# Altium PCB RockerBox_Rev01.PcbDoc (part 7 of 8) (continued)
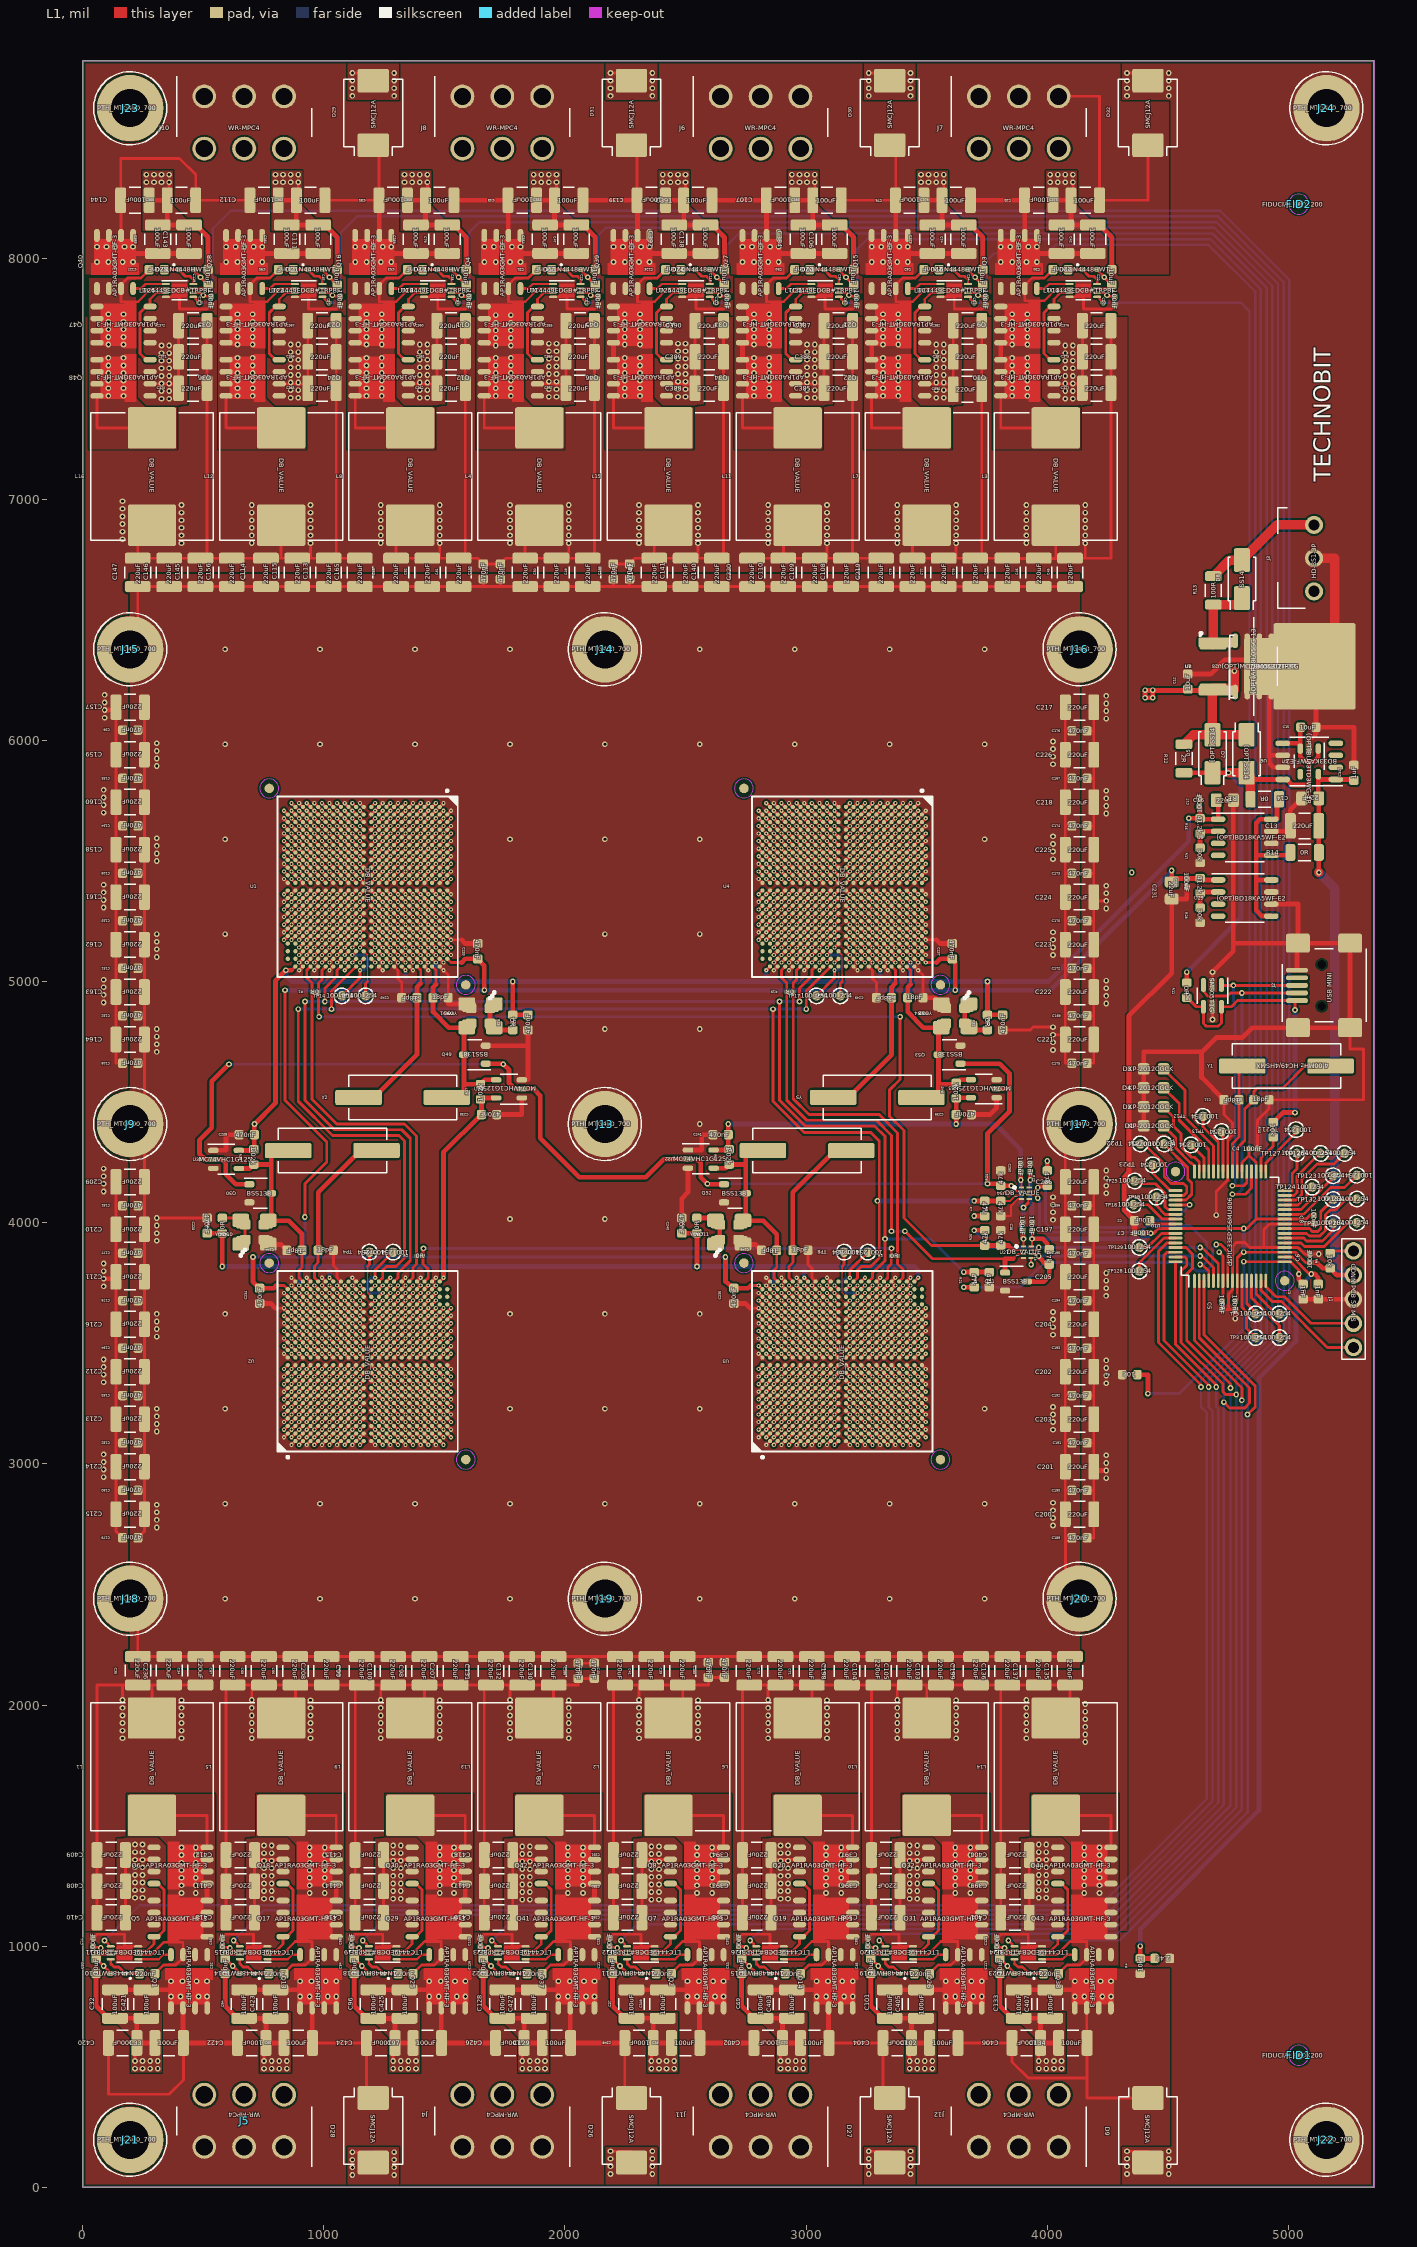
[diagram p0: L1 view]
## Nets (pads, with @x,y where several pads share a name; then routed paths per layer and width w, separated by ;. In a path a pad name is that pad's centre, name@x,y a point inside that pad or via, vN(x,y) a via of type N, cw(c..) or ccw(c..) an arc to the next point about the centre after c; other vN are vias at no path point) (continued)
  L1 w11.81: 333.66,964.57 Q1.4@365.96,964.57
HO2: Q13.4 U15.1 | length 143.4
  L1 w9.84: U15.1@765.75,945.87 850.39,945.87 869.09,964.57
  L1 w11.81: 869.09,964.57 Q13.4@901.39,964.57
HO3: Q25.4 U19.1 | length 143.4
  L1 w9.84: U19.1@1301.18,945.87 1385.83,945.87 1404.53,964.57
  L1 w11.81: 1404.53,964.57 Q25.4@1436.83,964.57
HO4: Q37.4 U23.1 | length 143.4
  L1 w9.84: U23.1@1836.61,945.87 1921.26,945.87 1939.96,964.57
  L1 w11.81: 1939.96,964.57 Q37.4@1972.26,964.57
HO5: Q2.4 U12.1 | length 143.4
  L1 w9.84: U12.1@2372.05,945.87 2456.69,945.87 2475.39,964.57
  L1 w11.81: 2475.39,964.57 Q2.4@2507.69,964.57
HO6: Q14.4 U16.1 | length 143.4
  L1 w9.84: U16.1@2907.48,945.87 2992.13,945.87 3010.83,964.57
  L1 w11.81: 3010.83,964.57 Q14.4@3043.13,964.57
HO7: Q26.4 U20.1 | length 143.4
  L1 w9.84: U20.1@3442.91,945.87 3527.56,945.87 3546.26,964.57
  L1 w11.81: 3546.26,964.57 Q26.4@3578.56,964.57
HO8: Q38.4 U24.1 | length 143.4
  L1 w9.84: U24.1@3978.35,945.87 4062.99,945.87 4081.69,964.57
  L1 w11.81: 4081.69,964.57 Q38.4@4113.99,964.57
HO9: Q3.4 U13.1 | length 143.4
  L1 w9.84: 3989.17,7874.02 4007.87,7892.72 U13.1@4092.52,7892.72
  L1 w11.81: Q3.4@3956.87,7874.02 3989.17,7874.02
HO10: Q15.4 U17.1 | length 143.4
  L1 w9.84: 3453.74,7874.02 3472.44,7892.72 U17.1@3557.09,7892.72
  L1 w11.81: Q15.4@3421.44,7874.02 3453.74,7874.02
HO11: Q27.4 U21.1 | length 143.4
  L1 w9.84: 2918.31,7874.02 2937.01,7892.72 U21.1@3021.65,7892.72
  L1 w11.81: Q27.4@2886.01,7874.02 2918.31,7874.02
HO12: Q39.4 U25.1 | length 143.4
  L1 w9.84: 2382.87,7874.02 2401.57,7892.72 U25.1@2486.22,7892.72
  L1 w11.81: Q39.4@2350.57,7874.02 2382.87,7874.02
HO13: Q4.4 U14.1 | length 143.4
  L1 w9.84: 1847.44,7874.02 1866.14,7892.72 U14.1@1950.79,7892.72
  L1 w11.81: Q4.4@1815.14,7874.02 1847.44,7874.02
HO14: Q16.4 U18.1 | length 143.4
  L1 w9.84: 1312.01,7874.02 1330.71,7892.72 U18.1@1415.35,7892.72
  L1 w11.81: Q16.4@1279.71,7874.02 1312.01,7874.02
HO15: Q28.4 U22.1 | length 143.4
  L1 w9.84: 776.57,7874.02 795.28,7892.72 U22.1@879.92,7892.72
  L1 w11.81: Q28.4@744.27,7874.02 776.57,7874.02
HO16: Q40.4 U26.1 | length 143.4
  L1 w9.84: 241.14,7874.02 259.84,7892.72 U26.1@344.49,7892.72
  L1 w11.81: Q40.4@208.84,7874.02 241.14,7874.02
LDO3.3V-5.0V: R14.1 R15.1 U9.5 U9.8 U29.5 U29.8 | length 834.7
  L1 w19.68: U29.5@4929.13,5271.47 4928.95,5271.65 4889.96,5271.65 4866.34,5295.28 4866.34,5421.46 ; U29.8@4929.13,5421.46 4866.34,5421.46 ; R15.1@4960.63,5755.91 4952.95,5755.91 4952.95,5673.43 U9.8@4929.13,5673.43 4882.09,5673.43 4866.34,5657.68 4866.34,5523.44 ; R14.1@5007.87,5535.43 5007.87,5523.44 U9.5@4929.13,5523.44 4866.34,5523.44 ; 4866.34,5421.46 4866.34,5523.44
LDO5.0V: C15.1 D5.1 D7.2 R11.1 R12.2 R15.2 U5.1 U5.3 U6.5 U6.8 | length 2027.9
  L1 w19.68: R12.2@4566.93,5866.14 D5.1@4685.04,5866.14 v2(4751.97,5866.14) ; R11.1@4578.74,4996.06 v2(4578.74,5039.37) ; D7.2@4842.52,5838.39 U6.8@4976.38,5838.39 4992.52,5838.39 5015.94,5814.96 5075,5814.96 5086.81,5826.77 5086.81,5913.39 ; U6.5@4976.38,5988.37 5049.21,5988.37 ; C15.1@5051.18,6055.12 5049.21,6053.15 5049.21,5988.37 ; U5.1@5124.02,5966.54 5124.02,5930.91 5106.5,5913.39 5086.81,5913.39 ; 5049.21,5988.37 U5.3@5049.21,5966.54 5049.21,5933.07 5068.9,5913.39 5086.81,5913.39
  L1 w39.37: v2(4751.97,5866.14) D7.2@4826.77,5866.14 4842.52,5850.39 4842.52,5838.39 R15.2@4842.52,5755.91
  L4 w19.68: v2(4578.74,5039.37) 4803.15,5263.78 4803.15,5814.96 v2(4751.97,5866.14)
LM12V: D8.1 R13.1 U7.1 U8.1 U28.8 | length 408.9
  L1 w11.81: U8.1@4688.98,6413.39 U8.1@4700.79,6413.39 ; U7.1@4700.79,6407.09 U8.1@4700.79,6413.39 ; U28.8@4779.33,6413.39 U8.1@4700.79,6413.39
  L1 w39.37: U8.1@4687.01,6397.24 4688.98,6399.21 4688.98,6413.39 R13.1@4688.98,6562.99 4807.09,6562.99 D8.1@4807.09,6590.55
LO1: Q5.4 Q6.4 U11.3 | length 379.9
  L1 w9.84: U11.3@230.31,981.3 267.72,981.3 295.28,1008.86
  L1 w11.81: 295.28,1008.86 Q5.4@295.28,1039.19 311.02,1039.19 336.61,1064.78 336.61,1234.07 311.02,1259.66 Q6.4@295.28,1259.66
LO2: Q17.4 Q18.4 U15.3 | length 379.9
  L1 w9.84: U15.3@765.75,981.3 803.15,981.3 830.71,1008.86
  L1 w11.81: 830.71,1008.86 Q17.4@830.71,1039.19 846.46,1039.19 872.05,1064.78 872.05,1234.07 846.46,1259.66 Q18.4@830.71,1259.66
LO3: Q29.4 Q30.4 U19.3 | length 379.9
  L1 w9.84: U19.3@1301.18,981.3 1338.58,981.3 1366.14,1008.86
  L1 w11.81: 1366.14,1008.86 Q29.4@1366.14,1039.19 1381.89,1039.19 1407.48,1064.78 1407.48,1234.07 1381.89,1259.66 Q30.4@1366.14,1259.66
LO4: Q41.4 Q42.4 U23.3 | length 379.9
  L1 w9.84: U23.3@1836.61,981.3 1874.02,981.3 1901.57,1008.86
  L1 w11.81: 1901.57,1008.86 Q41.4@1901.57,1039.19 1917.32,1039.19 1942.91,1064.78 1942.91,1234.07 1917.32,1259.66 Q42.4@1901.57,1259.66
LO5: Q7.4 Q8.4 U12.3 | length 379.9
  L1 w9.84: U12.3@2372.05,981.3 2409.45,981.3 2437.01,1008.86
  L1 w11.81: 2437.01,1008.86 Q7.4@2437.01,1039.19 2452.76,1039.19 2478.35,1064.78 2478.35,1234.07 2452.76,1259.66 Q8.4@2437.01,1259.66
LO6: Q19.4 Q20.4 U16.3 | length 379.9
  L1 w9.84: U16.3@2907.48,981.3 2944.88,981.3 2972.44,1008.86
  L1 w11.81: 2972.44,1008.86 Q19.4@2972.44,1039.19 2988.19,1039.19 3013.78,1064.78 3013.78,1234.07 2988.19,1259.66 Q20.4@2972.44,1259.66
LO7: Q31.4 Q32.4 U20.3 | length 379.9
  L1 w9.84: U20.3@3442.91,981.3 3480.31,981.3 3507.87,1008.86
  L1 w11.81: 3507.87,1008.86 Q31.4@3507.87,1039.19 3523.62,1039.19 3549.21,1064.78 3549.21,1234.07 3523.62,1259.66 Q32.4@3507.87,1259.66
LO8: Q43.4 Q44.4 U24.3 | length 379.9
  L1 w9.84: U24.3@3978.35,981.3 4015.75,981.3 4043.31,1008.86
  L1 w11.81: 4043.31,1008.86 Q43.4@4043.31,1039.19 4059.06,1039.19 4084.65,1064.78 4084.65,1234.07 4059.06,1259.66 Q44.4@4043.31,1259.66
LO9: Q9.4 Q10.4 U13.3 | length 379.9
  L1 w9.84: 4027.56,7829.72 4055.12,7857.28 U13.3@4092.52,7857.28
  L1 w11.81: Q10.4@4027.56,7578.92 4011.81,7578.92 3986.22,7604.51 3986.22,7773.8 4011.81,7799.39 Q9.4@4027.56,7799.39 4027.56,7829.72
LO10: Q21.4 Q22.4 U17.3 | length 379.9
  L1 w9.84: 3492.13,7829.72 3519.68,7857.28 U17.3@3557.09,7857.28
  L1 w11.81: Q22.4@3492.13,7578.92 3476.38,7578.92 3450.79,7604.51 3450.79,7773.8 3476.38,7799.39 Q21.4@3492.13,7799.39 3492.13,7829.72
LO11: Q33.4 Q34.4 U21.3 | length 379.9
  L1 w9.84: 2956.69,7829.72 2984.25,7857.28 U21.3@3021.65,7857.28
  L1 w11.81: Q34.4@2956.69,7578.92 2940.94,7578.92 2915.35,7604.51 2915.35,7773.8 2940.94,7799.39 Q33.4@2956.69,7799.39 2956.69,7829.72
LO12: Q45.4 Q46.4 U25.3 | length 379.9
  L1 w9.84: 2421.26,7829.72 2448.82,7857.28 U25.3@2486.22,7857.28
  L1 w11.81: Q46.4@2421.26,7578.92 2405.51,7578.92 2379.92,7604.51 2379.92,7773.8 2405.51,7799.39 Q45.4@2421.26,7799.39 2421.26,7829.72
LO13: Q11.4 Q12.4 U14.3 | length 379.9
  L1 w9.84: 1885.83,7829.72 1913.39,7857.28 U14.3@1950.79,7857.28
  L1 w11.81: Q12.4@1885.83,7578.92 1870.08,7578.92 1844.49,7604.51 1844.49,7773.8 1870.08,7799.39 Q11.4@1885.83,7799.39 1885.83,7829.72
LO14: Q23.4 Q24.4 U18.3 | length 379.9
  L1 w9.84: 1350.39,7829.72 1377.95,7857.28 U18.3@1415.35,7857.28
  L1 w11.81: Q24.4@1350.39,7578.92 1334.65,7578.92 1309.06,7604.51 1309.06,7773.8 1334.65,7799.39 Q23.4@1350.39,7799.39 1350.39,7829.72
LO15: Q35.4 Q36.4 U22.3 | length 379.9
  L1 w9.84: 814.96,7829.72 842.52,7857.28 U22.3@879.92,7857.28
  L1 w11.81: Q36.4@814.96,7578.92 799.21,7578.92 773.62,7604.51 773.62,7773.8 799.21,7799.39 Q35.4@814.96,7799.39 814.96,7829.72
LO16: Q47.4 Q48.4 U26.3 | length 379.9
  L1 w9.84: 279.53,7829.72 307.09,7857.28 U26.3@344.49,7857.28
  L1 w11.81: Q48.4@279.53,7578.92 263.78,7578.92 238.19,7604.51 238.19,7773.8 263.78,7799.39 Q47.4@279.53,7799.39 279.53,7829.72
"MAIN OSC IN": C10.1 U10.39 Y1.1 | length 722.7
  L1 w11.81: U10.39@4787.7,4211.93 4787.7,4309.35 4818.9,4340.55 4818.9,4471.46 4856.3,4508.86 C10.1@4856.3,4509.84 4856.3,4543.31 4872.05,4559.06 4977.35,4559.06 5067.9,4649.61 Y1.1@5175.2,4649.61
"MAIN OSC OUT": C11.1 U10.40 Y1.2 | length 454.7
  L1 w11.81: U10.40@4768.01,4211.93 4768.01,4328.05 4795.28,4355.31 C11.1@4795.28,4509.84 4795.28,4635.83 Y1.2@4809.06,4649.61
MCLR: C5.1 J1.1 R9.1 U10.7 | length 907.7
  L1 w11.81: v2(4712.8,3877.95) 4728.64,3862.11 U10.7@4728.64,3759.18 4728.64,3675.2 C5.1@4724.41,3675.2 ; R9.1@5173.23,3874.02 5182.28,3883.07 J1.1@5269.68,3883.07
  L2 w11.81: v2(4712.8,3877.95) 4751.97,3877.95 4799.21,3925.2 5227.56,3925.2 J1.1@5269.68,3883.07
MCU5.0V: R10.2 U10.34 | length 163.5
  L1 w11.81: U10.34@4886.12,4211.93 4886.12,4268.01 4937.01,4318.9 R10.2@4937.01,4354.33
MEAS12: C1.1 R4.2 R5.2 U10.18 | length 3387.2
  L1 w11.81: U10.18@4984.55,3857.6 5016.42,3857.6 5086.61,3787.4 v2(5094.49,3787.4)
  L1 w19.68: v2(4385.83,1000) R4.2@4385.83,948.82 R5.2@4444.88,948.82 ; v2(5094.49,3787.4) 5108.27,3787.4 5124.02,3771.65 C1.1@5124.02,3746.06
  L4 w19.68: v2(4385.83,1000) 4385.83,1070.87 4877.95,1562.99 4877.95,3354.33 5031.5,3507.87 5031.5,3705.88 v2(5094.49,3787.4)
NetR16_2: R16.2 R17.1 U9.2 | length 137.7
  L1 w19.68: R17.1@4633.86,5555.12 R16.2@4633.86,5614.17 4643.11,5623.43 U9.2@4708.66,5623.43
NetR25_2: R25.2 YO1.1 YO1.4 YO5.1 YO5.4 YO9.1 YO9.4 | length 214.8
  L1 w19.68: YO5.4@1698.82,4818.9 YO9.4@1696.85,4818.9 ; YO5.1@1698.82,4897.64 1706.69,4905.51 YO1.1@1706.69,4907.48 1697.83,4898.62 YO9.1@1688.98,4889.76 YO9.4@1688.98,4826.77 YO9.4@1696.85,4818.9 ; R25.2@1783.46,4799.21 1706.69,4799.21 YO1.4@1706.69,4809.06 YO9.4@1696.85,4818.9
NetR26_2: R26.2 YO2.1 YO2.4 YO6.1 YO6.4 YO10.1 YO10.4 | length 220.2
  L1 w11.81: R26.2@578.74,4019.68 645.67,4019.68 YO2.4@655.51,4009.84 ; YO6.1@663.39,3921.26 655.51,3913.39 YO2.1@655.51,3911.42 YO10.1@673.23,3929.13 YO10.4@673.23,3992.13 664.37,4000.98 YO2.4@655.51,4009.84 ; YO6.4@663.39,4000 655.51,4007.87 YO2.4@655.51,4009.84
NetR27_2: R27.2 R28.1 U29.2 | length 136.1
  L1 w19.68: R28.1@4633.86,5307.09 R27.2@4633.86,5366.14 4639.17,5371.46 U29.2@4708.66,5371.46
NetR30_2: R30.2 YO3.1 YO3.4 YO7.1 YO7.4 YO11.1 YO11.4 | length 209
  L1 w19.68: R30.2@2547.24,4019.68 2614.17,4019.68 YO3.4@2624.02,4009.84 ; YO3.1@2624.02,3911.42 YO7.1@2633.86,3921.26 ; YO7.1@2631.89,3921.26 YO7.1@2633.86,3921.26 ; YO7.4@2631.89,4000 2624.02,4007.87 YO3.4@2624.02,4009.84 ; YO3.4@2624.02,4009.84 2632.87,4000.98 2639.76,3994.09 YO11.4@2641.73,3992.13 YO11.1@2641.73,3929.13 YO7.1@2633.86,3921.26
NetR31_2: R31.2 YO4.1 YO4.4 YO8.1 YO8.4 YO12.1 YO12.4 | length 214.8
  L1 w19.68: YO8.4@3667.32,4818.9 YO8.4@3665.35,4818.9 ; YO8.1@3667.32,4897.64 3675.2,4905.51 YO4.1@3675.2,4907.48 3666.34,4898.62 YO12.1@3657.48,4889.76 YO12.4@3657.48,4826.77 YO8.4@3665.35,4818.9 ; R31.2@3751.97,4799.21 3675.2,4799.21 YO4.4@3675.2,4809.06 YO8.4@3665.35,4818.9
NetTP1_1: TP1.1 U1.M20 | length 194.8
  L1 w5.12: 1181.1,5000 1181.1,5110.24
  L1 w5.91: U1.M20@1165.35,5125.98 1181.1,5110.24
  L1 w11.81: TP1.1@1173.23,4940.94 1173.23,4992.13 1181.1,5000
NetTP2_1: TP2.1 U10.27 | length 366.1
  L1 w11.81: U10.27@4984.55,4034.77 5062.99,4034.77 5173.9,4145.67 5232.28,4145.67 TP2.1@5283.46,4196.85
NetTP3_1: TP3.1 U10.11 | length 259.1
  L1 w11.81: U10.11@4807.38,3759.18 4807.38,3649.31 4826.77,3629.92 4826.77,3561.02 TP3.1@4864.17,3523.62
NetTP4_1: TP4.1 U2.M20 | length 194.8
  L1 w5.12: 1181.1,3708.66 1181.1,3791.34
  L1 w5.91: 1181.1,3708.66 U2.M20@1196.85,3692.91 ; 1181.1,3791.34 1181.1,3818.9
  L1 w11.81: 1181.1,3818.9 1188.98,3826.77 TP4.1@1188.98,3877.95
NetTP5_1: TP5.1 U10.12 | length 153
  L1 w11.81: U10.12@4827.07,3759.18 4827.07,3665.35 4864.17,3629.92 TP5.1@4864.17,3622.05
NetTP6_1: TP6.1 U10.13 | length 283.5
  L1 w11.81: U10.13@4846.75,3759.18 4846.75,3688.68 4962.6,3572.83 TP6.1@4962.6,3523.62
NetTP7_1: TP7.1 U10.14 | length 185
  L1 w11.81: U10.14@4866.44,3759.18 4866.44,3704.43 4948.82,3622.05 TP7.1@4962.6,3622.05
NetTP8_1: TP8.1 U3.M20 | length 194.8
  L1 w5.12: 3149.61,3791.34 3149.61,3708.66 U3.M20@3165.35,3692.91
  L1 w5.91: 3149.61,3791.34 3149.61,3818.9
  L1 w11.81: 3149.61,3818.9 3157.48,3826.77 TP8.1@3157.48,3877.95
NetTP9_1: TP9.1 U4.M20 | length 194.8
  L1 w5.12: 3149.61,5027.56 3149.61,5110.24
  L1 w5.91: U4.M20@3133.86,5125.98 3149.61,5110.24 ; 3149.61,5000 3149.61,5027.56
  L1 w11.81: TP9.1@3141.73,4940.94 3141.73,4992.13 3149.61,5000
NetTP10_1: TP10.1 U10.21 | length 345.9
  L1 w11.81: U10.21@4984.55,3916.66 5051.85,3916.66 5066.93,3901.57 5148.62,3901.57 5247.05,4000 TP10.1@5283.46,4000
NetTP11_1: TP11.1 U10.22 | length 252.9
  L1 w11.81: U10.22@4984.55,3936.34 5063.66,3936.34 5075.2,3924.8 5141.34,3924.8 5185.04,3968.5 TP11.1@5185.04,3998.03
NetTP12_1: TP12.1 U10.43 | length 255.2
  L1 w11.81: TP12.1@4645.67,4440.94 4645.67,4397.64 4708.96,4334.35 U10.43@4708.96,4211.93
NetTP13_1: TP13.1 U10.42 | length 168.6
  L1 w11.81: TP13.1@4722.44,4377.95 4728.64,4371.75 U10.42@4728.64,4211.93
NetTP14_1: TP14.1 U1.N20 | length 298.6
  L1 w11.81: TP14.1@1074.8,4940.94 1149.61,5015.75 v1(1149.61,5047.24) ; v1(1118.11,5110.24) U1.N20@1133.86,5125.98
  L4 w11.81: v1(1118.11,5110.24) 1165.35,5110.24 1181.1,5094.49 1181.1,5062.99 1165.35,5047.24 v1(1149.61,5047.24)
NetTP15_1: TP15.1 U2.N20 | length 298.6
  L1 w11.81: v1(1212.6,3771.65) 1212.6,3803.15 TP15.1@1287.4,3877.95 ; U2.N20@1228.35,3692.91 v1(1244.09,3708.66)
  L4 w11.81: v1(1212.6,3771.65) 1196.85,3771.65 1181.1,3755.91 1181.1,3724.41 1196.85,3708.66 v1(1244.09,3708.66)
NetTP16_1: TP16.1 U3.N20 | length 298.6
  L1 w11.81: v1(3181.1,3771.65) 3181.1,3803.15 TP16.1@3255.91,3877.95 ; U3.N20@3196.85,3692.91 v1(3212.6,3708.66)
  L4 w11.81: v1(3181.1,3771.65) 3165.35,3771.65 3149.61,3755.91 3149.61,3724.41 3165.35,3708.66 v1(3212.6,3708.66)
NetTP17_1: TP17.1 U4.N20 | length 298.6
  L1 w11.81: TP17.1@3043.31,4940.94 3118.11,5015.75 v1(3118.11,5047.24) ; v1(3086.61,5110.24) U4.N20@3102.36,5125.98
  L4 w11.81: v1(3086.61,5110.24) 3133.86,5110.24 3149.61,5094.49 3149.61,5062.99 3133.86,5047.24 v1(3118.11,5047.24)
NetTP18_1: TP18.1 U10.55 | length 198.3
  L1 w11.81: TP18.1@4358.27,4074.8 4417.32,4074.8 4477.05,4015.08 U10.55@4531.79,4015.08
NetTP19_1: TP19.1 U10.54 | length 129.6
  L1 w11.81: TP19.1@4452.76,4106.3 4452.51,4106.06 4452.51,4071.11 4488.86,4034.77 U10.54@4531.79,4034.77
NetTP20_1: TP20.1 U10.51 | length 333.6
  L1 w11.81: TP20.1@4484.25,4326.77 4582.68,4228.35 4582.71,4181.13 4599.09,4164.82 4599.09,4118.11 4574.8,4093.82 U10.51@4531.79,4093.82
NetTP21_1: TP21.1 U10.33 | length 226
  L1 w11.81: U10.33@4905.81,4211.93 4905.81,4248.33 5031.5,4374.02 TP21.1@5031.5,4385.83
NetTP22_1: TP22.1 U10.50 | length 372
  L1 w11.81: TP22.1@4385.83,4326.77 4401.57,4326.77 4485.24,4243.11 4485.24,4191.93 4513.78,4163.39 4564.96,4163.39 4578.74,4149.61 4578.74,4125.98 4566.26,4113.51 U10.50@4531.79,4113.51
NetTP23_1: TP23.1 U10.49 | length 159.1
  L1 w11.81: TP23.1@4437.01,4240.16 4437.01,4206.03 4509.84,4133.19 U10.49@4531.79,4133.19
NetTP24_1: TP24.1 U10.46 | length 133
  L1 w11.81: TP24.1@4596.46,4322.83 4649.9,4269.39 U10.46@4649.9,4211.93
NetTP25_1: TP25.1 U10.53 | length 251.5
  L1 w11.81: TP25.1@4362.2,4173.23 4377.95,4173.23 4389.76,4161.42 4448.82,4161.42 4488.19,4122.05 4488.19,4066.26 4500,4054.45 U10.53@4531.79,4054.45
NetTP123_1: TP123.1 U10.28 | length 266.6
  L1 w11.81: U10.28@4984.55,4054.45 5052.56,4054.45 5189.02,4190.9 TP123.1@5185.04,4194.88
NetTP124_1: TP124.1 U10.29 | length 153.3
  L1 w11.81: U10.29@4984.55,4074.14 5040.23,4074.14 5077.53,4111.44 5077.53,4126.75 TP124.1@5098.43,4147.64
NetTP125_1: TP125.1 U10.30 | length 365.5
  L1 w11.81: U10.30@4984.55,4093.82 5032.07,4093.82 5055.12,4116.87 5055.12,4181.1 5118.11,4244.09 5188.98,4244.09 5208.62,4263.74 TP125.1@5232.28,4287.4
NetTP126_1: TP126.1 U10.31 | length 262.7
  L1 w11.81: U10.31@4984.55,4113.51 5023.9,4113.51 5035.43,4125.04 5035.43,4192.91 5106.3,4263.78 5131.89,4289.37 TP126.1@5133.86,4287.4
NetTP127_1: TP127.1 U10.32 | length 193.6
  L1 w11.81: U10.32@4984.55,4133.19 5015.75,4133.19 5015.75,4204.43 5035.43,4224.11 TP127.1@5035.43,4287.4
NetTP128_1: TP128.1 U10.59 | length 227.5
  L1 w11.81: TP128.1@4381.89,3799.21 4381.89,3834.65 4483.58,3936.34 U10.59@4531.79,3936.34
NetTP129_1: TP129.1 U10.58 | length 174.1
  L1 w11.81: TP129.1@4381.89,3897.64 4414.95,3897.64 4473.34,3956.03 U10.58@4531.79,3956.03
NetTP131_1: TP131.1 U10.23 | length 405.8
  L1 w11.81: U10.23@4984.55,3956.03 5075.47,3956.03 5087.01,3944.49 5130.06,3944.49 5153.54,3967.97 5153.54,4033.46 5173.23,4053.15 5195.62,4053.15 5240.89,4098.43 TP131.1@5283.46,4098.43
NetTP132_1: TP132.1 U10.24 | length 300.6
  L1 w11.81: U10.24@4984.55,3975.71 5087.28,3975.71 5098.82,3964.17 5121.91,3964.17 5133.86,3976.13 5133.86,4045.28 TP132.1@5185.04,4096.46
ORANGE: D4.2 U10.45 | length 424.7
  L1 w11.81: D4.2@4482.28,4559.06 4547.24,4494.09 4547.24,4425.2 4669.59,4302.85 U10.45@4669.59,4211.93
PGC: J1.5 U10.15 | length 521
  L1 w11.81: U10.15@4886.12,3759.18 4886.12,3719.81 4932.7,3673.23 4971.26,3673.23 5161.42,3483.07 J1.5@5269.68,3483.07
PGD: J1.4 U10.16 | length 450.7
  L1 w11.81: U10.16@4905.81,3759.18 4905.81,3735.55 4948.45,3692.91 4984.25,3692.91 5094.09,3583.07 J1.4@5269.68,3583.07
PLL_OSC_CLK_11: C242.1 Q49.3 R37.2 U1.C22 U30.4 Y2.1 YO1.3 YO5.3 YO9.3 | length 912.8
  L1 w11.81: U1.C22@1448.82,5062.99 1464.57,5047.24 1464.57,4988.39
  L1 w19.68: 1464.57,4988.39 1452.76,4976.57 1452.76,4874.02 1517.72,4809.06 YO1.3@1592.52,4809.06 ; Y2.1@1504.13,4519.68 Y2.1@1509.84,4519.68 1571.06,4519.68 1580.71,4529.33 1580.71,4574.8 ; YO5.3@1600.39,4818.9 1592.52,4811.02 YO1.3@1592.52,4809.06 ; YO9.3@1610.24,4826.77 YO1.3@1592.52,4809.06 ; U30.4@1714.57,4592.52 1667.32,4592.52 R37.2@1649.61,4574.8 1580.71,4574.8 ; 1580.71,4574.8 Q49.3@1580.71,4696.85 1580.71,4799.21 1582.68,4799.21 YO1.3@1592.52,4809.06
PLL_OSC_CLK_12: C243.1 U1.E22 Y2.2 | length 694.7
  L1 w11.81: U1.E22@1385.83,5062.99 1401.57,5047.24 1401.57,4992.13
  L1 w19.68: Y2.2@1143.7,4519.68 1143.9,4519.88 1208.86,4519.88 1385.83,4696.85 C243.1@1385.83,4933.07 1385.83,4976.38 1401.57,4992.13
PLL_OSC_CLK_21: C244.1 Q50.3 R39.2 U2.C22 U31.4 Y3.1 YO2.3 YO6.3 YO10.3 | length 912.6
  L1 w11.81: C244.1@909.45,3885.83 909.45,3814.96 897.64,3803.15 897.64,3771.65 U2.C22@913.39,3755.91
  L1 w19.68: U31.4@647.67,4225.38 693.07,4225.38 709.25,4241.56 R39.2@710.22,4241.56 781.5,4241.56 ; YO6.3@761.81,4000 753.94,3992.13 YO10.3@751.97,3992.13 760.83,4000.98 YO2.3@769.68,4009.84 771.65,4007.87 YO6.3@781.5,4007.87 ; Y3.1@852.36,4299.21 781.5,4299.21 781.5,4241.56 ; C244.1@909.45,3885.83 909.45,3952.76 854.33,4007.87 YO6.3@781.5,4007.87 ; YO6.3@781.5,4007.87 Q50.3@781.5,4122.05 781.5,4241.56
PLL_OSC_CLK_22: C245.1 U2.E22 Y3.2 | length 697.1
  L1 w11.81: U2.E22@976.38,3755.91 960.63,3771.65 960.63,3818.9 976.38,3834.65 C245.1@976.38,3885.83
  L1 w19.68: C245.1@976.38,3885.83 976.38,4125.79 1150,4299.41 1218.31,4299.41 Y3.2@1218.5,4299.21
PLL_OSC_CLK_31: C246.1 Q52.3 R41.2 U3.C22 U32.4 Y4.1 YO3.3 YO7.3 YO11.3 | length 899.4
  L1 w11.81: YO11.3@2720.47,3992.13 2722.44,3992.13 YO7.3@2730.31,4000 2738.19,4007.87 YO3.3@2738.19,4009.84 YO7.3@2750,4009.84 ; C246.1@2877.95,3885.83 2877.95,3814.96 2866.14,3803.15 2866.14,3771.65 U3.C22@2881.89,3755.91
  L1 w19.68: U32.4@2616.17,4226.38 2665.92,4226.38 R41.2@2681.1,4241.56 2750,4241.56 ; Y4.1@2820.87,4299.21 2750,4299.21 2750,4241.56 ; C246.1@2877.95,3885.83 2877.95,3952.76 2822.83,4007.87 2750,4007.87 2750,4009.84 Q52.3@2750,4122.05 2750,4241.56
PLL_OSC_CLK_32: C247.1 U3.E22 Y4.2 | length 697.1
  L1 w11.81: U3.E22@2944.88,3755.91 2929.13,3771.65 2929.13,3818.9 2944.88,3834.65 C247.1@2944.88,3885.83
  L1 w19.68: C247.1@2944.88,3885.83 2944.88,4125.79 3118.5,4299.41 3118.7,4299.21 Y4.2@3187.01,4299.21
PLL_OSC_CLK_41: C248.1 Q53.3 R43.2 U4.C22 U33.4 Y5.1 YO4.3 YO8.3 YO12.3 | length 914
  L1 w11.81: U4.C22@3417.32,5062.99 3433.07,5047.24 3433.07,4988.39
  L1 w19.68: 3433.07,4988.39 3421.26,4976.57 C248.1@3421.26,4933.07 3421.26,4874.02 3486.22,4809.06 YO4.3@3561.02,4809.06 ; Y5.1@3472.64,4519.68 Y5.1@3478.35,4519.68 3539.57,4519.68 3549.21,4529.33 3549.21,4574.8 ; YO8.3@3568.9,4818.9 3561.02,4811.02 YO4.3@3561.02,4809.06 ; YO12.3@3578.74,4826.77 YO4.3@3561.02,4809.06 ; U33.4@3683.67,4593.04 3638.31,4593.04 3624.88,4579.6 R43.2@3622.19,4579.6 3618.11,4575.53 3618.11,4574.8 3549.21,4574.8 ; 3549.21,4574.8 Q53.3@3549.21,4696.85 3549.21,4799.21 3551.18,4799.21 YO4.3@3561.02,4809.06
PLL_OSC_CLK_42: C249.1 U4.E22 Y5.2 | length 694.7
  L1 w11.81: U4.E22@3354.33,5062.99 3370.08,5047.24 3370.08,4992.13
  L1 w19.68: Y5.2@3112.2,4519.68 3112.4,4519.88 3177.36,4519.88 3354.33,4696.85 C249.1@3354.33,4933.07 3354.33,4976.38 3370.08,4992.13
PLL_REF_CLK_1: Q49.1 Q50.1 Q52.1 Q53.1 R23.1 R24.1 U30.2 U31.2 U32.2 U33.2 U34.2 | length 5625.7
  L1 w7.87: v2(3850.39,4153.54) 3874.02,4129.92 U34.2@3893.7,4129.92
  L1 w19.68: v2(606.3,4657.48) 535.43,4586.61 535.43,4393.7 484.25,4342.52 484.25,4286.4 507.87,4262.78 U31.2@541.37,4262.78 578.74,4262.78 593.49,4248.03 593.49,4200.79 634.83,4159.45 Q50.1@690.94,4159.45 ; Q49.1@1671.26,4659.45 1742.32,4659.45 v2(1744.09,4657.48) 1744.09,4657.68 1767.91,4633.86 1767.91,4578.74 1791.54,4555.12 U30.2@1820.87,4555.12 1870.08,4555.12 1897.64,4527.56 1897.64,4350.39 2059.06,4188.98 2334.65,4188.98 2409.45,4263.78 U32.2@2509.87,4263.78 2547.24,4263.78 2562.99,4248.03 2562.99,4188.98 v2(2590.55,4161.42) 2592.52,4159.45 Q52.1@2659.45,4159.45 ; Q53.1@3639.76,4659.45 3803.15,4659.45 3843.04,4619.56 3843.04,4555.64 ; U33.2@3789.97,4555.64 3843.04,4555.64 ; v2(3850.39,4153.54) R24.1@3807.09,4153.54 3799.21,4161.42 v2(3751.97,4161.42) 3751.97,4369.56 3843.04,4460.63 3843.04,4555.64 ; v2(4000,4255.91) 4000.2,4255.91 R23.1@4000.2,4216.54
  L2 w19.68: v2(3850.39,4153.54) 3850.39,4212.6 3893.7,4255.91 v2(4000,4255.91)
  L4 w11.81: v2(606.3,4657.48) v2(1744.09,4657.48) ; v2(2590.55,4161.42) v2(3751.97,4161.42)
PLL_REF_CLK_PIC: R23.2 U10.52 U34.7 | length 959.8
  L1 w7.87: U34.7@3925.2,4129.92 3944.88,4129.92 v2(3960.63,4145.67)
  L1 w11.81: U10.52@4531.79,4074.14 4589.88,4074.14 v2(4590.55,4074.8)
  L1 w19.68: v2(3960.63,4145.67) 3968.5,4153.54 R23.2@4000.2,4153.54
  L4 w11.81: v2(3960.63,4145.67) 3980.31,4145.67 3992.13,4133.86 3992.13,4000 4011.81,3980.31 4370.08,3980.31 4401.57,4011.81 4527.56,4011.81 v2(4590.55,4074.8)
PWM1H: U10.61 U12.5 U14.5 | length 13158.3
  L1 w9.84: U14.5@2064.96,7839.57 2074.8,7839.57 2074.8,7830.24 2088.35,7816.69 v2(2090.55,7814.96) ; v2(2232.28,1023.62) 2234.49,1021.89 2248.03,1008.35 2248.03,999.02 U12.5@2257.87,999.02
  L1 w11.81: U10.61@4531.79,3896.97 4574.8,3896.97 4602.36,3869.41 4602.36,3811.02 4578.74,3787.4 4578.74,3511.81 4759.84,3330.71 v2(4759.84,3314.96)
  L4 w9.84: v2(2090.55,7814.96) 2114.17,7814.96 2137.8,7838.58 2137.8,8094.49 2169.29,8125.98 4692.91,8125.98 4933.07,7885.83 4933.07,3531.5 4759.84,3358.27 v2(4759.84,3314.96) 4759.84,1582.68 4267.72,1090.55 2299.21,1090.55 v2(2232.28,1023.62)
PWM1L: U10.60 U11.5 U13.5 | length 12501.4
  L1 w9.84: v2(90.55,1023.62) 92.76,1021.89 106.3,1008.35 106.3,999.02 U11.5@116.14,999.02 ; U13.5@4206.69,7839.57 4216.54,7839.57 4216.54,7830.24 4230.08,7816.69 v2(4232.28,7814.96)
  L1 w11.81: U10.60@4531.79,3916.66 4495.4,3916.66 4460.63,3881.89 4460.63,3503.94 4637.8,3326.77 v2(4637.8,3318.9)
  L4 w9.84: v2(90.55,1023.62) 236.22,1169.29 4220.47,1169.29 4661.61,1610.43 4661.61,3212.4 4637.8,3236.22 v2(4637.8,3318.9) 4637.8,3346.46 4838.58,3547.24 4838.58,7779.53 4803.15,7814.96 v2(4232.28,7814.96)
PWM2H: U10.63 U16.5 U18.5 | length 13264.6
  L1 w9.84: U18.5@1529.53,7839.57 1539.37,7839.57 1539.37,7830.24 1552.91,7816.69 v2(1555.12,7814.96) ; v2(2767.72,1023.62) 2769.92,1021.89 2783.46,1008.35 2783.46,999.02 U16.5@2793.31,999.02
  L1 w11.81: U10.63@4531.79,3857.6 4570.87,3857.6 4578.74,3849.73 4578.74,3822.83 4555.12,3799.21 4555.12,3503.94 4728.35,3330.71 4728.35,3299.21 4740.16,3287.4 v2(4783.46,3287.4)
  L4 w9.84: v2(1555.12,7814.96) 1582.68,7814.96 1602.36,7834.65 1602.36,8106.3 1645.67,8149.61 4700.79,8149.61 4956.69,7893.7 4956.69,3527.56 4783.46,3354.33 v2(4783.46,3287.4) 4783.46,1574.8 4279.53,1070.87 2814.96,1070.87 v2(2767.72,1023.62)
PWM2L: U10.62 U15.5 U17.5 | length 12837.8
  L1 w9.84: v2(625.98,1023.62) 628.19,1021.89 641.73,1008.35 641.73,999.02 U15.5@651.57,999.02 ; U17.5@3671.26,7839.57 3681.1,7839.57 3681.1,7830.24 3694.65,7816.69 v2(3696.85,7814.96)
  L1 w11.81: U10.62@4531.79,3877.29 4496.06,3877.29 4484.25,3865.47 4484.25,3511.81 4669.29,3326.77 v2(4669.29,3318.9)
  L4 w9.84: v2(625.98,1023.62) 751.97,1149.61 4232.28,1149.61 4685.24,1602.56 4685.24,3220.28 4669.29,3236.22 v2(4669.29,3318.9) 4669.29,3350.39 4862.2,3543.31 4862.2,7862.2 4669.29,8055.12 4035.43,8055.12 4000,8019.69 3779.53,8019.69 3748.03,7988.19 3748.03,7834.65 3728.35,7814.96 v2(3696.85,7814.96)
PWM3H: U10.1 U20.5 U22.5 | length 13172.8
  L1 w9.84: U22.5@994.09,7839.57 1003.94,7839.57 1003.94,7830.24 1017.48,7816.69 v2(1019.68,7814.96) ; v2(3303.15,1023.62) 3305.35,1021.89 3318.9,1008.35 3318.9,999.02 U20.5@3328.74,999.02
  L1 w11.81: U10.1@4610.53,3759.18 4610.53,3511.52 4807.09,3314.96 v2(4807.09,3263.78)
  L4 w9.84: v2(1019.68,7814.96) 1047.24,7814.96 1070.87,7838.58 1070.87,8106.3 1137.8,8173.23 4708.66,8173.23 4980.31,7901.57 4980.31,3523.62 4807.09,3350.39 v2(4807.09,3263.78) 4807.09,1566.93 4291.34,1051.18 3330.71,1051.18 v2(3303.15,1023.62)
PWM3L: U10.64 U19.5 U21.5 | length 12850.7
  L1 w9.84: v2(1161.42,1023.62) 1163.62,1021.89 1177.17,1008.35 1177.17,999.02 U19.5@1187.01,999.02 ; U21.5@3135.83,7839.57 3145.67,7839.57 3145.67,7830.24 3159.21,7816.69 v2(3161.42,7814.96)
  L1 w11.81: U10.64@4531.79,3837.92 4531.79,3495.77 4700.79,3326.77 v2(4700.79,3318.9)
  L4 w9.84: v2(1161.42,1023.62) 1267.72,1129.92 4244.09,1129.92 4708.86,1594.68 4708.86,3228.15 4700.79,3236.22 v2(4700.79,3318.9) 4700.79,3354.33 4885.83,3539.37 4885.83,7870.08 4677.17,8078.74 3251.97,8078.74 3212.6,8039.37 3212.6,7834.65 3192.91,7814.96 v2(3161.42,7814.96)
PWM4H: U10.3 U24.5 U26.5 | length 13339.2
  L1 w9.84: U26.5@458.66,7839.57 468.5,7839.57 468.5,7830.24 482.05,7816.69 v2(484.25,7814.96) ; v2(3838.58,1023.62) 3840.79,1021.89 3854.33,1008.35 3854.33,999.02 U24.5@3864.17,999.02
  L1 w11.81: U10.3@4649.9,3759.18 4649.9,3535.14 4862.2,3322.83 4862.2,3235.93 4831,3204.72 v2(4830.71,3204.72)
  L4 w9.84: v2(484.25,7814.96) 515.75,7814.96 539.37,7838.58 539.37,8122.05 614.17,8196.85 4716.54,8196.85 5003.94,7909.45 5003.94,3519.68 4830.71,3346.46 v2(4830.71,3204.72) 4830.71,1555.12 4299.21,1023.62 v2(3838.58,1023.62)
PWM4L: U10.2 U23.5 U25.5 | length 13060.6
  L1 w9.84: v2(1696.85,1023.62) 1699.06,1021.89 1712.6,1008.35 1712.6,999.02 U23.5@1722.44,999.02 ; U25.5@2600.39,7839.57 2610.24,7839.57 2610.24,7830.24 2623.78,7816.69 v2(2625.98,7814.96)
  L1 w11.81: U10.2@4630.22,3759.18 4630.22,3523.33 4838.88,3314.67 4838.88,3252.26 4818.9,3232.28 4755.91,3232.28 v2(4732.28,3255.91)
  L4 w9.84: v2(1696.85,1023.62) 1783.46,1110.24 4255.91,1110.24 4732.33,1586.66 4732.33,3255.86 v2(4732.28,3255.91) 4732.29,3358.27 4909.45,3535.43 4909.45,7877.95 4685.04,8102.36 2720.47,8102.36 2673.23,8055.12 2673.23,7830.71 2657.48,7814.96 v2(2625.98,7814.96)
RED: D1.2 U10.48 | length 245
  L1 w11.81: D1.2@4482.28,4401.57 4531.5,4352.36 4531.5,4310.74 4594.21,4248.03 4598.05,4248.03 4610.53,4235.55 U10.48@4610.53,4211.93
RESET_COLD_L: R21.1 R29.1 U1.R22 U2.R22 U3.R22 U4.R22 | length 5960.3
  L1 w11.81: v2(921.46,4917.32) 921.46,4507.87 1043.5,4385.83 1322.83,4385.83 1358.46,4350.2 1358.46,3842.52 1307.09,3791.14 1307.09,3771.65 U2.R22@1291.34,3755.91 ; v2(1004.13,4917.32) 1004.13,4972.44 1055.12,5023.43 1055.12,5047.24 U1.R22@1070.87,5062.99 ; v2(2889.96,4917.32) 2889.96,4507.87 2996.26,4401.57 3283.66,4401.57 3326.77,4358.46 v2(3326.77,3933.07) 3326.97,3877.76 3326.97,3842.52 3275.59,3791.14 3275.59,3771.65 U3.R22@3259.84,3755.91 ; v2(2972.44,4917.32) 2972.64,4917.32 2972.64,4972.44 3023.62,5023.43 3023.62,5047.24 U4.R22@3039.37,5062.99
  L1 w19.68: v2(3653.54,3795.28) R21.1@3696.85,3795.28 R29.1@3759.84,3795.28
  L4 w11.81: v2(921.46,4917.32) v2(1004.13,4917.32) v2(2889.96,4917.32) v2(2972.44,4917.32) ; v2(3326.77,3933.07) 3515.75,3933.07 v2(3653.54,3795.28)